# Altium PCB ROS-Robot-Controller.PcbDoc (part 2 of 2)
Units mil, origin at the board's own origin, x right, y up, seen from the top; angles counter-clockwise.
Board outline 1972.2 x 2530.91 mil, 2 copper layers (Top Layer, Bottom Layer); 96 components, 92 nets, 452 pads, 356 vias.
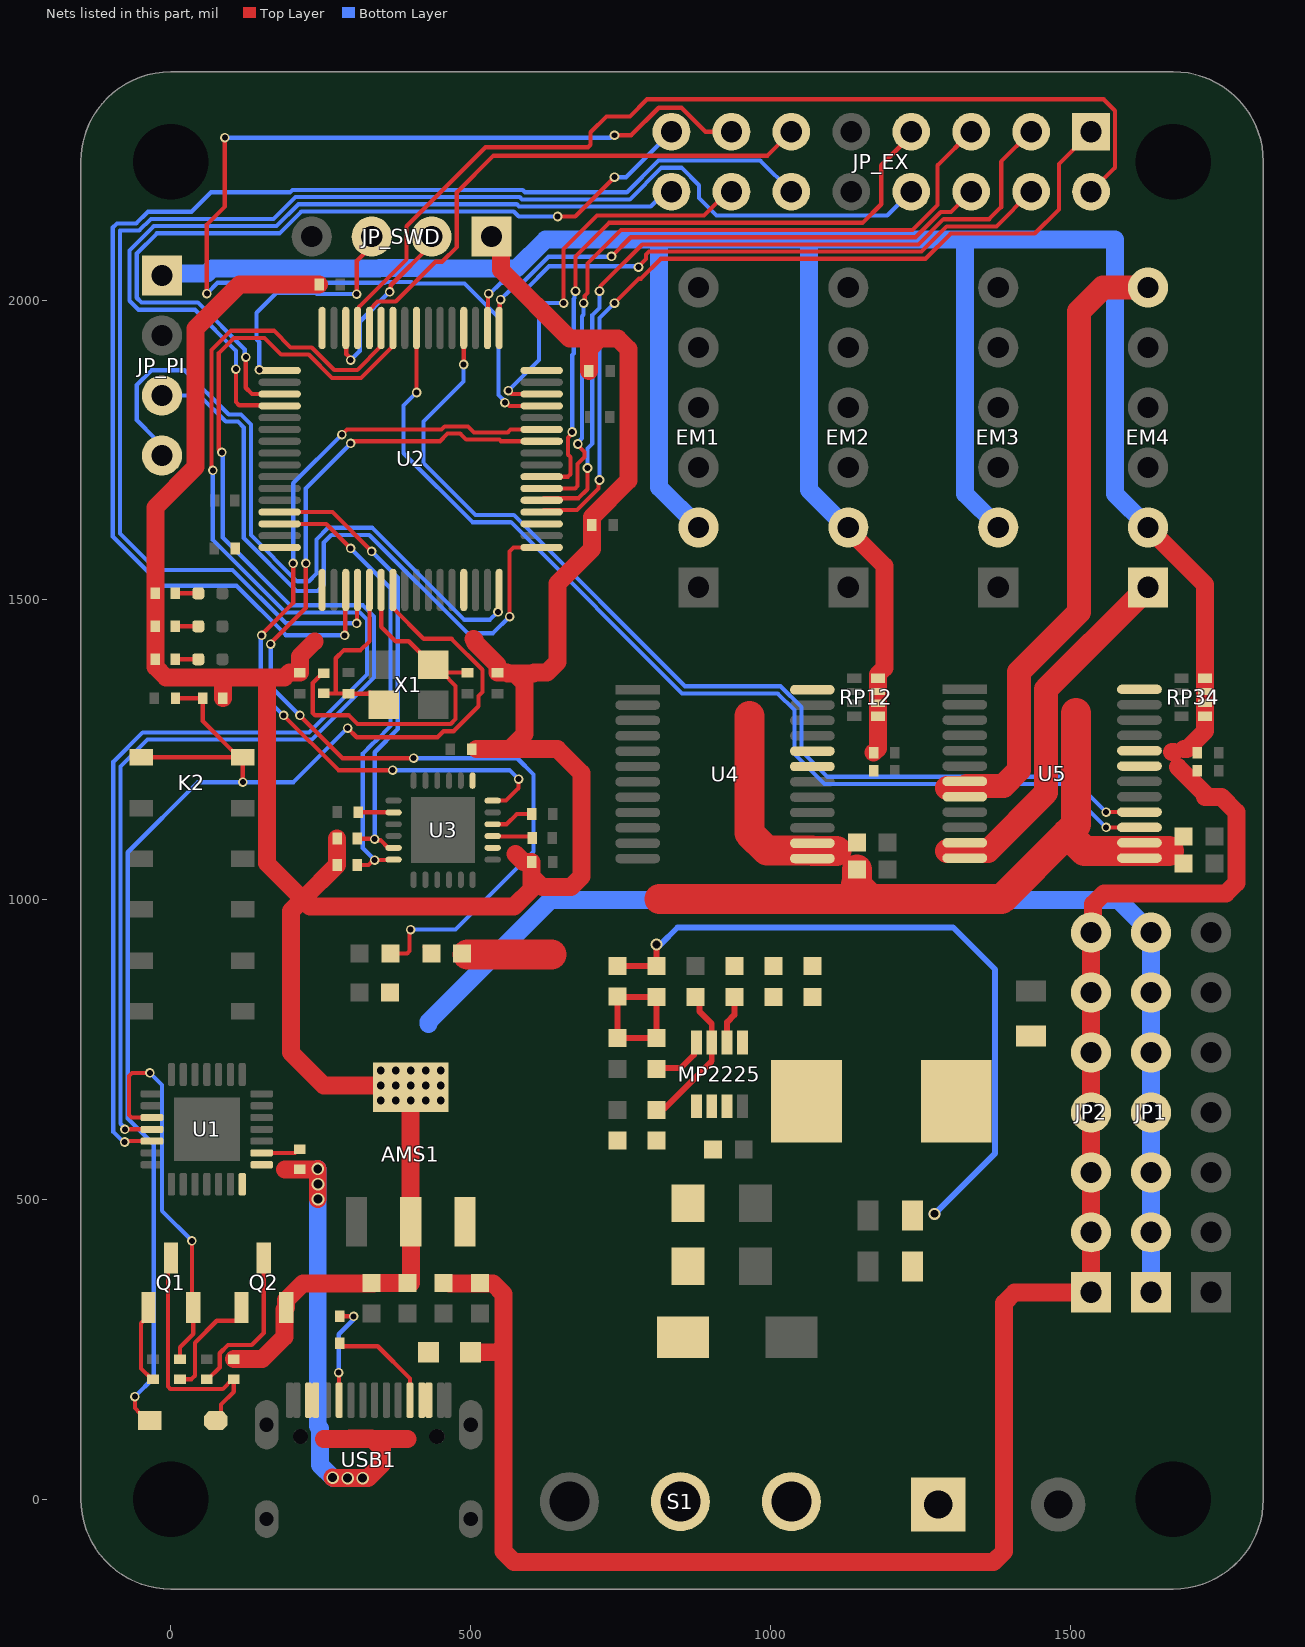
[diagram p2: the nets of this part, all layers, seen from the top]

## Via types
v1: diameter 16, hole 10, Top Layer to Bottom Layer, tented both sides, 333 vias
v2: diameter 20, hole 13, Top Layer to Bottom Layer, tented both sides, 17 vias
v3: diameter 21, hole 15, Top Layer to Bottom Layer, tented both sides, 6 vias

## Nets (pads, with @x,y where several pads share a name; then routed paths per layer and width w, separated by ;. In a path a pad name is that pad's centre, name@x,y a point inside that pad or via, vN(x,y) a via of type N, cw(c..) or ccw(c..) an arc to the next point about the centre after c; other vN are vias at no path point) (continued)
M4IN2: U2.36 U5.16 | length 1731.1
  Top Layer w7: v1(488.33,1892.57) 488.58,1892.82 U2.36@488.58,1953.5 ; v1(1560,1146.02) U5.16@1615.67,1146.02
  Bottom Layer w7: v1(488.33,1892.57) 488.33,1864.24 421.5,1797.41 421.5,1728.41 508.31,1641.6 572.04,1641.6 857.73,1355.91 1017.12,1355.91 1052,1321.02 1052,1247.91 1095.12,1204.8 1501.23,1204.8 v1(1560,1146.02)
M4OUT1: EM4.1 U5.11 U5.12 | length 618.3
  Top Layer w40: 1295,1080.91 1324.33,1080.91 1324.8,1081.38 1363.05,1081.38 1460,1178.33 1460,1350.9 1616.54,1507.44 EM4.1@1630,1520.91
M4OUT2: EM4.6 U5.7 U5.8 | length 1070.3
  Top Layer w40: 1295,1185.91 1324.33,1185.91 1328.35,1189.92 1388.86,1189.92 1415,1216.06 1415,1380 1515,1480 1515,1980.91 1555,2020.91 EM4.6@1630,2020.91
M4PWM: U2.40 U5.15 | length 1746.7
  Top Layer w7: U2.40@409.84,1953.5 409.92,1953.43 409.92,1845.98 v1(410,1845.91) ; v1(1560,1120.43) U5.15@1615.67,1120.43
  Bottom Layer w7: v1(410,1845.91) 388.28,1824.19 388.28,1744.66 503.34,1629.6 567.07,1629.6 852.76,1343.91 1012.15,1343.91 1040,1316.05 1040,1242.94 1090.15,1192.8 1487.64,1192.8 v1(1560,1120.43)
MPU6050_INT: U2.27 U3.12 | length 1388.2
  Top Layer w7: v1(151.5,1440.91) 151.5,1442.41 204,1494.91 v1(204,1560.91) ; v1(188,1307.41) 279.5,1215.91 v1(370,1215.91) ; v1(285.15,1775.75) 293.61,1784.21 451.5,1784.21 456.69,1789.41 495.59,1789.41 505.59,1779.41 561.83,1779.41 566.64,1784.21 U2.27@618.5,1784.21 ; U3.12@536.77,1165.12 559.21,1165.12 580,1185.91 v1(580,1200.91)
  Bottom Layer w7: v1(151.5,1440.91) 150,1439.41 150,1345.41 v1(188,1307.41) ; v1(204,1560.91) 204,1694.6 v1(285.15,1775.75) ; v1(370,1215.91) 565,1215.91 v1(580,1200.91)
MPU6050_SCL: R10.1 U2.61 U3.23 | length 761.7
  Top Layer w7: U2.61@181.5,1646.42 269.49,1646.42 v1(335,1580.91) ; R10.1@310.75,1101.93 311.26,1101.42 339.49,1101.42 341.72,1099.18 349.75,1099.18 362.56,1086.38 U3.23@371.42,1086.38
  Bottom Layer w7: v1(335,1580.91) 378.51,1537.39 378.51,1284.42 340,1245.91 v1(340,1100.91)
MPU6050_SDA: R8.1 U2.62 U3.24 | length 775.2
  Top Layer w7: U2.62@181.5,1626.73 259.17,1626.73 v1(300,1585.91) ; R8.1@310.75,1057.95 329.61,1057.95 337.56,1065.91 v1(340,1065.91) 340.39,1066.3 371.02,1066.3 U3.24@371.42,1066.69
  Bottom Layer w7: v1(300,1585.91) 366.51,1519.39 366.51,1289.39 342.03,1264.91 341.29,1264.91 335,1258.61 320.23,1243.84 320.23,1225.92 320,1225.69 320,1085.91 v1(340,1065.91)
NetC4_1: C4.1 MP2225.7 R7.2 | length 243.8
  Top Layer w10: R7.2@810,649 820,651.24 822.76,651.24 ccw(c816.45,659) 823.5,651.91 902.2,730.61 MP2225.7@902.2,761.66 902.2,792.95 881.48,813.67 881.48,831.34 C4.1@875,837.82
NetC5_1: C5.1 L1.1 MP2225.3
NetC5_2: C5.2 R2.2
NetC9_2: C9.2 R3.2 R4.1 R5.2 | length 268.5
  Top Layer w10: R5.2@745,769 R3.2@810,769 C9.2@810,837.82 745.59,837.82 R4.1@745,838.41 R5.2@745,769
NetC32_2: C32.2 U3.10 | length 72.3
  Top Layer w7: U3.10@536.77,1125.75 559.84,1125.75 577.05,1142.95 C32.2@601.93,1142.95
NetC33_1: C33.1 U3.20 | length 58.9
  Top Layer w7: C33.1@312.72,1145.9 312.95,1145.67 371.18,1145.67 U3.20@371.42,1145.43
NetD2_2: D2.2 Q1.3 R21.2 | length 416.5
  Top Layer w7: Q1.3@0,402.24 -5,397.24 -5,187.8 -0.9,183.7 86.66,183.7 103.03,200.08 R21.2@105,200.08 105,179.19 83.43,157.62 83.43,139.22 D2.2@75.12,130.91
NetLED_BLUE_1: LED_BLUE.1 R16.1 | length 38.3
  Top Layer w7: R16.1@7.56,1400.91 LED_BLUE.1@45.83,1400.91
NetLED_GREEN_1: LED_GREEN.1 R15.1 | length 38.3
  Top Layer w7: R15.1@7.56,1455.91 LED_GREEN.1@45.83,1455.91
NetLED_PW_1: LED_PW.1 R17.1 | length 38.3
  Top Layer w7: R17.1@7.56,1510.91 LED_PW.1@45.83,1510.91
NetMP2225_1: MP2225.1 R6.1 R7.1
NetMP2225_5: MP2225.5 R2.1
NetMP2225_6: MP2225.6 R1.2 | length 81.2
  Top Layer w10: MP2225.6@927.8,761.66 927.8,795.6 940,807.8 R1.2@940,837.82
NetMP2225_8: MP2225.8 R3.1 | length 94.5
  Top Layer w10: R3.1@810,717.82 811.38,719.19 850.78,719.19 872.61,741.02 872.61,757.66 MP2225.8@876.61,761.66
NetQ1_1: Q1.1 R22.2 | length 134.3
  Top Layer w7: Q1.1@-37.4,319.57 -37.4,305.79 -45.71,297.48 -45.9,297.48 -50,293.37 -50,218.11 -31.97,200.08 R22.2@-30,200.08
NetQ2_1: Q2.1 R23.2 | length 192.4
  Top Layer w7: R23.2@15,200.08 34.17,200.08 40,205.91 40,260.91 76.57,297.48 109.29,297.48 117.6,305.79 Q2.1@117.6,319.57
NetQ2_3: Q2.3 R24.1 | length 265.9
  Top Layer w7: R24.1@60,200.08 61.97,200.08 81.5,219.61 81.5,243.28 95.27,257.04 135,257.04 155,277.04 Q2.3@155,402.24
NetR11_2: R11.2 U3.9 | length 67.4
  Top Layer w7: U3.9@536.77,1106.06 537.32,1105.52 600.34,1105.52 R11.2@602.91,1102.95
NetR20_1: R20.1 U1.9 | length 66
  Top Layer w7: U1.9@151.5,577.44 206.93,577.44 213.03,583.54 R20.1@215,583.54
NetR25_2: R25.2 USB1.A5 | length 175
  Top Layer w7: v1(280,210.91) 280.39,210.51 280.39,165.51 USB1.A5@280.79,165.12 ; R25.2@286.11,309.38 R25.2@281.73,305 v1(305,305)
  Bottom Layer w7: v1(280,210.91) 280,275 v1@305,300
NetR26_2: R26.2 USB1.B5 | length 177.9
  Top Layer w7: R26.2@281.73,260 281.73,259.37 286.11,255 345,255 398.9,201.1 USB1.B5@398.9,165.12
NetS1_1: S1.1 VIN1.1
OSCIN: C35.1 R13.2 U2.5 X1.3 | length 348.3
  Top Layer w7: R13.2@260,1344.17 260.36,1343.82 275,1343.82 278.17,1343.82 ; X1.3@330.78,1345.12 332.91,1345.12 333.5,1344.53 X1.3@333.5,1343.46 ; U2.5@331.1,1516.5 331.1,1430.88 316.34,1416.12 288.55,1416.12 275,1402.57 275,1346.99 278.17,1343.82 ; X1.3@355,1325 X1.3@353.03,1325 ; 278.17,1343.82 295.98,1343.82 C35.1@296.34,1343.46 X1.3@333.5,1343.46 ; X1.3@333.5,1343.46 333.5,1342.4 350.91,1325 X1.3@353.03,1325 ; X1.3@333.5,1343.46 334.57,1343.46 X1.3@353.03,1325
OSCOUT: C10.1 R13.1 U2.6 X1.1 | length 648.3
  Top Layer w7: R13.1@255,1377.64 253.03,1377.64 236.66,1361.26 236.66,1311.51 240.76,1307.41 296.83,1307.41 311.36,1292.88 466.79,1292.88 475,1301.09 475,1356.58 X1.1@452.95,1378.62 ; U2.6@350.79,1516.5 350.79,1455.12 375,1430.91 396.73,1430.91 435.71,1391.93 439.65,1391.93 X1.1@452.95,1378.62 ; C10.1@495,1378.62 X1.1@452.95,1378.62
PA4: JP_EX.1 U2.20 | length 1389.2
  Top Layer w7: U2.20@618.5,1646.42 622,1649.92 677.32,1649.92 713.28,1685.88 713.28,1698.28 v1(715,1700) ; v1(740,1995) 780.8,2035.8 784.13,2035.8 817.24,2068.91 1258.91,2068.91 1301,2111 1441,2111 1481.28,2151.28 1481.28,2227.19 1507,2252.91 JP_EX.1@1535,2280.91
  Bottom Layer w7: v1(715,1700) 715,1970 v1(740,1995)
PA5: JP_EX.3 U2.21 | length 1301.4
  Top Layer w7: U2.21@618.5,1666.1 622,1669.6 680.03,1669.6 695,1684.57 v1(695,1720) ; v1(715,2015) 716.72,2016.72 716.72,2023.39 724.31,2030.98 786.24,2092.91 1247,2092.91 1289.09,2135 1364.99,2135 1385,2155.01 1385,2230.91 JP_EX.3@1435,2280.91
  Bottom Layer w7: v1(695,1720) 695,1752.73 703,1760.73 703,1974.97 715,1986.97 v1(715,2015)
PA6: JP_EX.5 U2.22 | length 1218.4
  Top Layer w7: U2.22@618.5,1685.79 674.4,1685.79 678.5,1689.89 678.5,1726.83 690,1738.33 690,1746.5 678.94,1757.56 v1(678.94,1760) ; v1(688.5,1995) 690.22,1996.72 690.22,2006.89 695,2011.67 695,2060.91 751,2116.91 1236.91,2116.91 1278.91,2158.91 1278.91,2224.81 JP_EX.5@1335,2280.91
  Bottom Layer w7: v1(678.94,1760) 678.94,1762.44 686,1769.5 686,1973 688.5,1975.5 v1(688.5,1995)
PA7: JP_EX.7 U2.23 | length 1107.6
  Top Layer w7: U2.23@618.5,1705.47 662.4,1705.47 666.5,1709.57 666.5,1738.01 662.44,1742.07 662.44,1770.5 669.5,1777.56 v1(669.5,1780) ; v1(675,2015) 675,2072.88 731.03,2128.91 1153.91,2128.91 1184.91,2159.91 1184.91,2224.91 1235,2275 JP_EX.7@1235,2280.91
  Bottom Layer w7: v1(669.5,1780) 669.5,1908.38 672,1910.88 672,2001.83 673.28,2003.11 673.28,2013.28 v1(675,2015)
PA11: JP_EX.11 U2.44 | length 910.7
  Top Layer w7: U2.44@331.1,1953.5 331.1,1983.72 344.82,1997.44 375.04,1997.44 441.54,2063.94 452.38,2063.94 476.96,2088.52 476.96,2179.84 538.03,2240.91 995,2240.91 JP_EX.11@1035,2280.91
PA12: JP_EX.2 U2.45 | length 1645
  Top Layer w7: U2.45@311.42,1953.5 311.42,1984.33 313.82,1986.74 313.82,1988.82 393.04,2068.04 393.04,2123.29 417.62,2147.87 524.75,2255 695.9,2255 700,2259.1 700,2280 726.5,2306.5 765.6,2306.5 794.1,2335 1555.92,2335 1575,2315.92 1575,2220.9 JP_EX.2@1535,2180.91
PB10: JP_EX.13 U2.29 | length 1884.1
  Top Layer w7: v1(60,2010.91) 60,2125.91 90,2155.91 v1(90,2270.91) ; v1(557,1828.91) 559.44,1828.91 564.76,1823.58 U2.29@618.5,1823.58 ; v1(740,2275) 767.83,2275 813.73,2320.9 851.57,2320.9 891.56,2280.91 JP_EX.13@935,2280.91
  Bottom Layer w7: v1(60,2010.91) 78.04,2028.94 356.67,2028.94 358.17,2030.44 401.62,2030.44 404.15,2027.92 489.65,2027.92 546.5,1971.07 546.5,1841.84 557,1831.34 v1(557,1828.91) ; v1(90,2270.91) 733.47,2270.91 737.56,2275 v1(740,2275)
PB11: JP_EX.14 U2.30 | length 670.2
  Top Layer w7: v1(563.1,1849) 563.1,1848.07 567.9,1843.27 U2.30@618.5,1843.27 ; v1(655,1995) 655,2085 710.91,2140.91 889.04,2140.91 929.03,2180.91 JP_EX.14@935,2180.91
  Bottom Layer w7: v1(563.1,1849) 614.05,1899.95 614.05,1984.95 624.09,1995 v1(655,1995)
PB12: JP_EX.4 U2.33 | length 1014
  Top Layer w7: U2.33@547.64,1953.5 548.56,1954.42 548.56,1999.46 v1(550,2000.91) ; v1(780,2055) 780,2055.9 792.63,2068.53 792.63,2075.96 797.57,2080.91 1251.97,2080.91 1294.06,2123 1377.09,2123 JP_EX.4@1435,2180.91
  Bottom Layer w7: v1(550,2000.91) 566.04,2016.94 591.45,2016.94 630.92,2056.41 778.59,2056.41 v1(780,2055)
PB13: JP_EX.6 U2.34 | length 948.8
  Top Layer w7: U2.34@527.95,1953.5 528.87,1954.42 528.87,2009.78 v1(530,2010.91) ; v1(735,2072.91) 767,2104.91 1242.03,2104.91 1284.12,2147 1301.09,2147 JP_EX.6@1335,2180.91 JP_EX.6@1319.85,2180.91
  Bottom Layer w7: v1(530,2010.91) 532.44,2010.91 550.47,2028.94 586.48,2028.94 629.95,2072.41 734.5,2072.41 v1(735,2072.91)
PC10: JP_EX.15 U2.51 | length 1398.3
  Top Layer w7: v1(125,1905) 125,1853.83 135.56,1843.27 U2.51@181.5,1843.27 ; v1(645,2139.5) 674.5,2139.5 v1(740,2205)
  Bottom Layer w7: v1(125,1905) 123.28,1906.72 123.28,1917.6 44.97,1995.91 -48.95,1995.91 -56.96,2003.92 -56.96,2077.89 -23.44,2111.41 181.16,2111.41 217.62,2147.87 571.99,2147.87 580.36,2139.5 v1(645,2139.5) ; v1(740,2205) 759.09,2205 JP_EX.15@835,2280.91
PC11: JP_EX.16 U2.52 | length 1404.8
  Top Layer w7: v1(108.5,1885) 108.5,1830.1 114.1,1824.5 180.58,1824.5 U2.52@181.5,1823.58
  Bottom Layer w7: v1(108.5,1885) 108.5,1915.41 40,1983.91 -53.92,1983.91 -68.96,1998.95 -68.96,2082.86 -28.41,2123.41 176.19,2123.41 212.65,2159.87 576.96,2159.87 580.83,2156 800.51,2156 825.42,2180.91 JP_EX.16@835,2180.91
PC14: JP_EX.12 U2.3 | length 2249.8
  Top Layer w7: v1(290,1440.91) 290.87,1441.77 290.87,1515.63 U2.3@291.73,1516.5
  Bottom Layer w7: v1(290,1440.91) 289.78,1441.13 191.73,1441.13 109.33,1523.53 -14.6,1523.53 -97,1605.94 -97,2120.88 -89.97,2127.91 -57.86,2127.91 -38.35,2147.41 34.58,2147.41 67.17,2180 198.84,2180 202.71,2183.87 586.9,2183.87 590.77,2180 760.56,2180 813.46,2232.9 983,2232.9 JP_EX.12@1035,2180.91
PC15: JP_EX.8 U2.4 | length 2447.3
  Top Layer w7: v1(310,1460.91) 310.71,1461.61 310.71,1515.79 U2.4@311.42,1516.5
  Bottom Layer w7: v1(310,1460.91) 192.12,1460.91 103.03,1550 -24.09,1550 -85,1610.91 -85,2115.91 -52.89,2115.91 -33.38,2135.41 171.22,2135.41 207.68,2171.87 581.93,2171.87 585.8,2168 765.53,2168 818.43,2220.9 851.57,2220.9 880.78,2191.69 880.78,2170.13 910,2140.91 1195,2140.91 JP_EX.8@1235,2180.91
RESET: C11.2 D2.1 K2.1 K2.2 R14.1 U2.7 | length 2349.9
  Top Layer w7: v1(-60,170.91) -60,151.85 -51.3,143.15 -39.06,130.91 D2.1@-35.12,130.91 ; K2.1@-49.64,1237.32 K2.2@113.74,1237.32 ; C11.2@7.71,1335.9 R14.1@53.27,1335.91 53.27,1297.8 K2.2@113.74,1237.32 ; K2.2@119.65,1229.74 120.48,1229.74 120,1229.27 v1(120,1195.91) ; K2.2@119.65,1237.32 K2.2@113.74,1237.32 ; v1(294.75,1286.15) 310,1270.91 444.82,1270.91 454.79,1280.88 471.76,1280.88 513.34,1322.46 513.34,1339.43 520,1346.09 520,1383.36 468.36,1435 421.75,1435 370.47,1486.28 U2.7@370.47,1516.5
  Bottom Layer w7: v1(-60,170.91) -28.5,202.41 -28.5,591.62 -71.95,635.07 -71.95,1078.96 45,1195.91 v1(120,1195.91) 204.5,1195.91 v1(294.75,1286.15)
RTS: Q1.2 R23.1 U1.24 | length 659
  Top Layer w7: v1(-35,710.91) -65,710.91 -70,705.91 -70,640.91 -65.59,636.5 U1.24@-31.5,636.5 ; R23.1@15,233.54 15,253.33 37.4,275.73 Q1.2@37.4,319.57 35,321.97 v1(35,430.91)
  Bottom Layer w7: v1(-35,710.91) -15,690.91 -15,480.91 v1(35,430.91)
SWCLK: JP_SWD.3 U2.49 | length 419.8
  Top Layer w7: v1(147.45,1883.56) 148.37,1882.64 U2.49@181.5,1882.64 ; v1(310,2010) 310,2065.29 335,2090.29 JP_SWD.3@335,2105.91
  Bottom Layer w7: v1(147.45,1883.56) 147.45,1930.22 143,1934.67 143,1978.91 176.54,2012.44 240.83,2012.44 243.27,2010 v1(310,2010)
SWDIO: JP_SWD.2 U2.46 | length 318.8
  Top Layer w7: U2.46@291.73,1953.5 292.65,1952.58 292.65,1909.78 300,1902.44 v1(300,1900) ; v1(365,2013.94) 366.72,2015.66 366.72,2024.75 435,2093.03 JP_SWD.2@435,2105.91
  Bottom Layer w7: v1(300,1900) 315,1915 315,1963.94 v1(365,2013.94)
USART1_RX_DEBUG: U1.26 U2.43 | length 2274.1
  Top Layer w7: v1(-77,595.67) -75.55,597.13 U1.26@-31.5,597.13 U1.26@-21.5,597.13 ; v1(70,1715.91) 68,1717.91 68,1905.88 68,1916.94 100.06,1949 111.12,1949 171.91,1949 199.86,1921.04 234.92,1921.04 272.47,1883.5 311,1883.5 350.79,1923.29 U2.43@350.79,1953.5
  Bottom Layer w7: v1(-77,595.67) -79.22,595.67 -95.95,612.4 -95.95,1229.96 -47,1278.91 230.23,1278.91 327,1375.68 327,1467.24 315.33,1478.91 191.09,1478.91 70,1600 v1(70,1715.91)
USART1_TX_DEBUG: U1.25 U2.42 | length 2248.3
  Top Layer w7: v1(-76.88,616.67) -76.75,616.81 U1.25@-31.5,616.81 U1.25@-21.5,616.81 ; v1(85,1745.91) 80,1750.91 80,1900.91 80,1911.97 105.03,1937 116.09,1937 156.07,1937 184.02,1909.04 229.95,1909.04 269,1870 317.18,1870 370.47,1923.29 U2.42@370.47,1953.5
  Bottom Layer w7: v1(-76.88,616.67) -76.88,619.11 -83.95,626.17 -83.95,1221.96 -39,1266.91 235.2,1266.91 339,1370.71 339,1472.21 320.3,1490.91 199.75,1490.91 86.5,1604.16 86.5,1744.41 v1(85,1745.91)
USART2_RX_PI: JP_PI.3 U2.17 | length 1147.8
  Top Layer w7: v1(565,1471.91) 565,1580.91 571.46,1587.36 U2.17@618.5,1587.36
  Bottom Layer w7: JP_PI.3@-15,1840.91 48.03,1840.91 91.53,1797.41 111.83,1797.41 121.5,1787.74 121.5,1603.1 209.69,1514.91 244.76,1514.91 255,1525.14 255,1595.91 267.5,1608.41 330.83,1608.41 494.78,1444.46 537.55,1444.46 v1(565,1471.91)
USART2_TX_PI: JP_PI.4 U2.16 | length 1178.2
  Top Layer w7: v1(545.61,1479.97) 546.72,1481.08 546.72,1515.58 U2.16@547.64,1516.5
  Bottom Layer w7: JP_PI.4@-15,1740.91 -26.47,1752.37 -26.47,1769.37 -56.96,1799.87 -56.96,1858.29 -32.38,1882.87 23.03,1882.87 96.5,1809.41 116.81,1809.41 133.5,1792.71 133.5,1608.07 210.67,1530.91 230,1530.91 243,1543.91 243,1600.88 262.53,1620.41 335.8,1620.41 489.25,1466.96 532.46,1466.96 545.48,1479.97 v1(545.61,1479.97)
USB_5V: F1.1 R20.2 U1.7 U1.8 USB1.A4 USB1.A9 USB1.B4 USB1.B9 | length 999.8
  Top Layer w30: 190,550.08 244.17,550.08 v3(245,550.91) v3@245,500.41 ; 255,100 395,100 ; v3(270,35.91) 270.91,35 v3(320,35) 329.09,35 352.57,58.48 352.57,83.33 335,100.91 299.17,100.91
  Bottom Layer w30: v3(245,550.91) 245,122.09 249.02,118.07 249.02,56.89 270.91,35 v3(320,35)
  other v3: 295,35 245.41,500.41 245.41,525.41
VCC3V3: AMS1.2 AMS1.4 C21.2 C22.2 C23.2 C24.2 C25.2 C26.2 C29.2 C30.2 C31.2 C34.1 JP1.1 JP1.2 JP1.3 JP1.4 JP1.5 JP1.6 JP1.7 JP_SWD.1 Q2.2 R8.2 R10.2 R14.2 R15.2 R16.2 R17.2 R21.1 U2.1 U2.13 U2.19 U2.32 U2.48 U2.64 U3.8 U3.13 | length 7006.3
  Top Layer w30: R14.2@86.73,1335.91 86.73,1367.64 90,1370.91 ; R21.1@105,233.54 152.43,233.54 189.21,270.33 189.21,316.38 Q2.2@192.25,319.42 ; 169.6,1370.91 160,1370.91 ; 170.14,1370.91 189.86,1370.91 197.57,1378.62 C26.2@215,1378.62 215,1405.91 240,1430.91 ; Q2.2@192.4,319.57 192.4,332.15 220.26,360 C29.2@337.73,360 ; C24.2@247.29,2025.91 114.6,2025.91 41.29,1952.59 41.29,1721.58 -25.91,1654.39 R17.2@-25.91,1510.91 R15.2@-25.91,1455.91 R16.2@-25.91,1400.91 -25.91,1388.37 -8.44,1370.91 90,1370.91 ; R10.2@277.29,1101.93 R8.2@277.29,1057.95 220,1000.66 ; C29.2@340.46,360.59 C30.2@395,360.59 400.46,360.59 AMS1.2@400.45,462.79 ; AMS1.4@367.13,675.98 353.11,690 v2(350,690) 255,690 200,745 200,908.53 200.32,908.85 200.32,980.98 220,1000.66 ; AMS1.2@400,462.79 v2(400,665) AMS1.4@400,687.2 AMS1.4@402.2,685 ; 505.19,1434.6 507.5,1432.3 507.5,1429.1 545,1391.59 C25.2@545,1378.62 560.72,1378.62 561.93,1377.41 573.64,1377.41 ; 510,1250.9 565,1250.9 ; JP_SWD.1@535,2105.91 550.28,2090.62 550.28,2050.62 665,1935.91 714.86,1935.91 ; 575,1075.91 587.95,1062.95 C31.2@601.93,1062.95 601.93,1038.48 ; C22.2@697.29,1881.81 697.29,1918.33 714.86,1935.91 ; 90,1370.91 160,1370.91 ; 160,1370.91 160,1060.66 220,1000.66 ; 220,1000.66 232.25,988.41 572.51,988.41 601.93,1017.83 601.93,1038.48 ; 565,1250.9 645,1250.9 685,1210.9 685,1038.48 667.43,1020.91 619.5,1020.91 601.93,1038.48 ; 565,1250.9 590,1275.91 590,1361.04 573.64,1377.41 ; 573.64,1377.41 604.73,1377.41 605.95,1378.62 627.43,1378.62 645,1396.19 645,1527.47 702.29,1584.76 C21.2@702.29,1625 702.29,1638.19 763,1698.91 763,1918.33 745.43,1935.91 714.86,1935.91
  Bottom Layer w30: 430,792.74 430,796.3 633.07,999.37 1580.63,999.37 JP1.7@1635,945 ; JP1.1@1635,345.91 1635,445.91 1635,545.91 1635,645.91 1635,745.91 1635,845.91 JP1.7@1635,945.91
  other v2: 350,665 375,665 425,665 450,665 375,690 400,690 425,690 450,690 350,715 375,715 400,715 425,715 450,715
VCC5V: AMS1.3 C6.2 C7.2 C8.2 C9.1 C17.1 C18.2 C19.1 C20.2 C27.2 C28.2 EM1.2 EM2.2 EM3.2 EM4.2 F1.2 JP2.1 JP2.2 JP2.3 JP2.4 JP2.5 JP2.6 JP2.7 JP_PI.1 L1.2 R4.2 RP12.5 RP12.6 RP12.7 RP12.8 RP34.5 RP34.6 RP34.7 RP34.8 U4.19 U4.20 U5.19 U5.20 | length 8792.7
  Top Layer w10: R4.2@745,889.59 809.41,889.59 C9.1@810,889 ; C9.1@810,884 810,889.59 v2(810,925)
  Top Layer w30: C28.2@464.93,360 C27.2@515.46,360 ; F1.2@500,245 545,245 555,255 ; C27.2@515.46,360.59 516.04,360 537.43,360 555,342.43 555,255 ; EM2.2@1130,1620.91 1130,1616.87 1190,1556.87 1190,1386.47 1179.37,1375.84 RP12.8@1179.37,1368.9 RP12.7@1179.37,1347.24 RP12.6@1179.37,1327.56 RP12.5@1179.37,1305.91 1179.37,1252.09 C18.2@1172.29,1245 ; EM4.2@1630,1620.91 1725,1525.91 RP34.8@1725,1368.9 RP34.7@1725,1347.24 RP34.6@1725,1327.56 RP34.5@1725,1305.91 1725,1280.91 1695,1250.91 1690,1250.91 ; 1670,1245.91 1673.6,1245.91 ; 1680,1220.91 1725,1175.91 1725,1170.91 1752.43,1170.91 1777.2,1146.13 1777.2,1027.57 1759.63,1010 1556.11,1010 1538.54,992.43 1538.54,948.54 JP2.7@1535,945 1535,845.91 1535,745.91 1535,645.91 1535,545.91 1535,445.91 JP2.1@1535,345 1407.57,345 1390,327.43 1390,-87.43 1372.43,-105 572.57,-105 555,-87.43 555,255
  Bottom Layer w10: v2(810,925) 816.59,925 845,953.41 1305,953.41 1375,883.41 1375,576.93 v2(1273.96,475.88)
  Bottom Layer w30: JP_PI.1@-15,2040.91 -11.5,2044.41 60.27,2044.41 68.3,2052.44 346.94,2052.44 348.43,2053.94 411.36,2053.94 412.85,2052.44 576.75,2052.44 625.21,2100.91 814.54,2100.91 ; EM1.2@880,1620.91 880,1622.16 814.54,1687.62 814.54,2100.91 ; EM2.2@1130,1620.91 1126.77,1620.91 1064.54,1683.14 1064.54,2100.91 ; EM3.2@1380,1620.91 1380,1621.87 1325,1676.87 1325,2100.91 ; EM4.2@1630,1620.91 1630,1621.87 1575,1676.87 1575,2100.91 1325,2100.91 ; 814.54,2100.91 1064.54,2100.91 ; 1064.54,2100.91 1325,2100.91
VCC12V: C1.2 C2.2 C3.2 C13.2 C14.2 C15.2 C16.2 D1.2 MP2225.2 R1.1 R18.2 S1.2 U4.13 U4.14 U4.24 U5.13 U5.14 U5.24 | length 1662.2
  Top Layer w50: R18.2@495,908.77 635,908.77 ; 815,1000.91 1167.5,1000.91 ; 965,1306.21 965,1110.98 994.26,1081.72 1069.18,1081.72 1070,1080.91 1110,1080.91 ; 1142.5,1025.91 1167.5,1000.91 ; 1144.41,1030.19 C13.2@1144.41,1050 ; 1510,1310.91 1510,1125.2 1495,1110.2 ; 1665,1080.91 1524.29,1080.91 1495,1110.2 ; 1167.5,1000.91 1385.71,1000.91 1495,1110.2
VIN_ADC: C12.2 R18.1 R19.2 U2.26 | length 1764.6
  Top Layer w7: v1(166.5,1426.06) 166.5,1427.71 225,1486.21 v1(225,1560.91) ; v1(215,1307.41) 286.5,1235.91 v1(405,1235.91) ; v1(300,1760.91) 303.62,1764.53 448.79,1764.53 461.67,1777.41 482.59,1777.41 492.59,1767.41 547.97,1767.41 550.84,1764.53 U2.26@618.5,1764.53 ; R19.2@366.18,910 394.18,910 398.28,914.1 398.28,948.28 v1(400,950) ; R18.1@423.27,921.22 R18.1@434.77,909.72
  Bottom Layer w7: v1(166.5,1426.06) 166.5,1355.91 v1(215,1307.41) ; v1(225,1560.91) 225,1685.91 v1(300,1760.91) ; v1(400,950) 475,950 605,1080 605,1208.64 577.73,1235.91 v1(405,1235.91)
pads on no net: S1.3 U1.1 U1.2 U1.6 U1.10 U1.11 U1.12 U1.13 U1.14 U1.15 U1.16 U1.17 U1.18 U1.19 U1.20 U1.21 U1.22 U1.23 U1.27 U3. U3.2 U3.3 U3.4 U3.5 U3.6 U3.7 U3.14 U3.15 U3.16 U3.17 U3.19 U3.21 U3.22 USB1.0 USB1.A8 USB1.B8

## Polygon pours and split planes (outlines as drawn)
NetC5_1 on Top Layer "NETC5_1_L01_P040" (solid, remove dead copper, pour order 40): 920,633.41 920,703.41 935,718.41 975.33,718.41 1045,799.21 1045,858.41 1095,858.41 1095,793.41 1130,768.41 1130,588.41 995,588.41 995,658.41 970,683.41 940.33,683.41 935,678.08 935,633.41
NetMP2225_5 on Top Layer "NETMP2225_5_L01_P044" (solid, remove dead copper, pour order 44): 945,738.41 945,788.41 985,828.41 985,858.41 1025,858.41 1025,813.41 1000,788.41 980,788.41 965,773.41 965,738.41
NetMP2225_1 on Top Layer "NETMP2225_1_L01_P045" (solid, remove dead copper, pour order 45): 865,678.41 885,678.41 885,638.41 825,578.41 720,578.41 720,613.41 835,613.41 865,643.41
NetC5_2 on Top Layer "NETC5_2_L01_P047" (solid, remove dead copper, pour order 47): 1090,908.41 1090,868.41 985,868.41 985,908.41
no net on Top Layer "NONET_L01_P058" (solid, pour order 58): 495,1350 495,1343.19
VCC12V on Top Layer "VCC12V_L01_P037" (solid, remove dead copper, pour order 37): 555,905.16 790,1025 790,935 696.01,891.12 700,573.41 715,558.41 835,558.41 890,613.41 890,678.41 912.34,678.41 912.45,651.82 912.34,608.41 921.08,603.41 921.08,550.63 905,540.21 905,313.41 615,341.15 615,480.21 555,540.21
GND on Top Layer "GND_L01_P055" (solid, remove dead copper, pour order 55): -175,2425 1860,2425 1860,-190 -175,-190
VIN_ADC on Top Layer "VIN_ADC_L01_P013" (solid, remove dead copper, pour order 13): 450,889.17 386.54,888.15 386.23,825.07 345.59,824.93 345.59,929.1 450,929.1
VCC5V on Top Layer "VCC5V_L01_P039" (solid, remove dead copper, pour order 39): 1215,800 1215,300 1585,300 1585,800
NetS1_1 on Top Layer "NETS1_1_L01_P053" (solid, pour order 53): 970,65 970,-70 1340,-70 1340,65
VCC12V on Top Layer "VCC12V_L01_P048" (solid, pour order 48): 905,-65 905,208.41 905,358.41 615,341.15 615,180 731.2,180 731.2,-65
VCC12V on Top Layer "VCC12V_L01_P001" (solid, remove dead copper, pour order 1): 940,1135 960,1105.91 1115,1105.91 1125,1125.91 1165,1125.91 1165,1005 828.91,1018.91
VCC12V on Top Layer "VCC12V_L01_P052" (solid, remove dead copper, pour order 52): 1455.91,1105.91 1665.67,1105.91 1665.67,1026.61 1664.06,1025 1515,1025 1425,935 1360,935 1360,1025 1380,1025 1380,1030
VCC12V on Top Layer "VCC12V_L01_P051" (solid, remove dead copper, pour order 51): 790,1025 1380,1025 1380,935 959.86,935 959.69,869.04 920.35,868.87 920.01,935 790,935
VCC5V on Top Layer "VCC5V_L01_P010" (solid, remove dead copper, pour order 10): 515.45,530 515.45,395 540.45,370 540.45,340 445,340 445,374.55 470.45,400 470.45,530
VCC12V on Top Layer "VCC12V_L01_P003" (solid, remove dead copper, pour order 3): 1110,1340.91 995,1340.91 990,1335.91 990,1285.91 940,1285.91 945,1350 962.2,1370.91 1110,1370.91
M3OUT2 on Top Layer "M3OUT2_L01_P025" (solid, remove dead copper, pour order 25): 1291.4,1260.84 1369.5,1260.46 1370.61,1215.07 1284.88,1214.48 1245,1250 1270,1280
M3OUT1 on Top Layer "M3OUT1_L01_P024" (solid, remove dead copper, pour order 24): 1360,1360 1360,1315 1281.68,1315 1281.68,1360.41 1281.93,1360.41 1285,1405 1325,1405 1335,1365
VCC3V3 on Top Layer "VCC3V3_L01_P021" (solid, remove dead copper, pour order 21): 498.78,1186.81 495,1240.91 495,1260.91 508.78,1260.91 508.78,1211.81 508.78,1186.81
VCC3V3 on Top Layer "VCC3V3_L01_P020" (solid, remove dead copper, pour order 20): 525,1090.91 580,1090.91 590,1080.91 570,1060.91 550,1080.91 525,1080.91
VCC3V3 on Top Layer "VCC3V3_L01_P019" (solid, remove dead copper, pour order 19): 261.58,1595.91 261.44,1482.28 255,1430.91 215,1425.91 230,1450.84 243.78,1480.91 243.78,1595.91
VCC3V3 on Top Layer "VCC3V3_L01_P014" (solid, remove dead copper, pour order 14): 585,1635.91 715,1635.91 715,1615.91 665,1615.91 585,1615.91
VCC3V3 on Top Layer "VCC3V3_L01_P018" (solid, remove dead copper, pour order 18): 497.75,1555.91 497.66,1482.28 520,1440.91 495,1430.91 480,1449.24 480,1555.91
VCC3V3 on Top Layer "VCC3V3_L01_P017" (solid, remove dead copper, pour order 17): 260,1575.91 95,1575.91 95,1595.91 135,1595.91 260,1595.91
VCC3V3 on Top Layer "VCC3V3_L01_P016" (solid, remove dead copper, pour order 16): 240,1915.91 240,2040.91 260,2040.91 260,1915.91
VCC3V3 on Top Layer "VCC3V3_L01_P015" (solid, remove dead copper, pour order 15): 585,1891.81 715,1891.81 715,1871.81 665,1871.81 585,1871.81
USB_5V on Top Layer "USB_5V_L01_P012" (solid, remove dead copper, pour order 12): 415,195.91 435,195.91 435,135.91 425,115.91 410,85.91 370,85.91 370,115.91 399.55,121.81 415,133.41
USB_5V on Top Layer "USB_5V_L01_P011" (solid, remove dead copper, pour order 11): 225,195.91 225,135.91 235,115.91 245,85.91 305,85.91 305,115.91 265,115.91 250,125.91 245,135.91 245,195.91
USB_5V on Top Layer "USB_5V_L01_P009" (solid, remove dead copper, pour order 9): 435,155.91 415,155.91 415,270 450,270 450,225 435,225
USB_5V on Top Layer "USB_5V_L01_P008" (solid, remove dead copper, pour order 8): 130,565.91 220,565.91 220,540.91 150,540.91 134.81,531.1 130.69,505.93 110,506.29 110,550.91
VCC5V on Top Layer "VCC5V_L01_P007" (solid, remove dead copper, pour order 7): 1575.67,1256.61 1660.67,1256.61 1670.67,1266.61 1725,1266.61 1725,1196.61 1685,1196.61 1665.67,1211.61 1575.67,1211.61
VCC5V on Top Layer "VCC5V_L01_P006" (solid, remove dead copper, pour order 6): 1030,1255.91 1115,1255.91 1125,1265.91 1185,1265.91 1185,1195.91 1159.13,1195.91 1120,1210.91 1030,1210.91
VCC12V on Top Layer "VCC12V_L01_P005" (solid, remove dead copper, pour order 5): 1575.67,1101.61 1660,1105.91 1670.67,1126.61 1710.67,1126.61 1710.67,1026.61 1665.67,1026.61 1655,1050.91 1575.67,1056.61
VCC12V on Top Layer "VCC12V_L01_P004" (solid, remove dead copper, pour order 4): 1655.67,1341.61 1540.71,1341.61 1520,1320.91 1520,1286.61 1470,1286.61 1470,1350.91 1490.71,1371.61 1655.67,1371.61
GND on Bottom Layer "GND_L02_P054" (solid, remove dead copper, pour order 54): -175,2465 -175,-190 1855,-190 1855,2465
VCC3V3 on Bottom Layer "VCC3V3_L02_P050" (solid, remove dead copper, pour order 50): 415,865 333.75,730.54 335,645 465,645 465.46,730.54 630,1015

## Keep-outs
Keep-Out Layer:
  the board outline again, w50

## Other copper
Bottom Layer:
  pour cut-out: 595,65 1355,65 1355,-75 595,-75

## Silkscreen, mask and mechanical layers (free items; w line width, h text height)
Top Overlay:
  drawing of 360 lines, arcs and shapes, not listed
  text "EXIO" at 705,2328.01 h90 r270
  text "5V" at -135,2092.56 h65 r270
  text "GND" at 128.68,2030 h25
  text "CLK" at 303.68,2030 h25
  text "DIO" at 398.68,2030 h25
  text "3V3" at 498.68,2030 h25
  text "树莓派" at 35,2014.12 h80 r270
  text "GND" at -135,2004.24 h65 r270
  text "RX" at -135,1874.14 h65 r270
  text "TX" at -135,1784.06 h65 r270
  text "POWER" at 99.46,1490 h50
  text "GREEN" at 98.31,1435 h50
  text "STM32 / F103 / RCT6" at 569.67,1410 h70
  text "BLUE" at 99,1380 h50
  text "RESET" at -135,1303.34 h70 r270
  text "MPU6050" at 207.45,1225 h60
  text "KEY1" at -135,1103.19 h70 r270
  text "TB6612FNG" at 955,1042.95 h70 r90
  text "TB6612FNG" at 1500,1042.95 h70 r90
  text "KEY2" at -135,941.47 h70 r270
  text "X" at 532,805 h30
  text "Y" at 497,770 h30
  text "CP2102" at -135,731.1 h70 r270
  text "AMS1117" at 545,692.85 h60 r270
  text "MP2236 / MP2225" at 650,484.96 h60 r270
  text "5V" at 1482.6,235 h70
  text "3V3" at 1566.41,235 h70
  text "GND" at 1666.86,235 h70
  text "12V+" at 1170,185 h120
  text "关<------->开" at 594.56,135 h90
  text "TYPE-C" at 229.95,-60 h60
Bottom Overlay:
  drawing of 1767 lines, arcs and shapes, not listed
  text "DEBUG" at 154.38,2380 h200 r180
  text "C10" at 796.14,2355 h50 r180
  text "B10" at 896.14,2355 h50 r180
  text "A11" at 996.14,2355 h50 r180
  text "A8" at 1096.14,2355 h50 r180
  text "A7" at 1196.14,2355 h50 r180
  text "A6" at 1296.14,2355 h50 r180
  text "A5" at 1396.14,2355 h50 r180
  text "A4" at 1496.14,2355 h50 r180
  text "CLK" at 237.88,2225 h100 r180
  text "DIO" at 406.97,2225 h100 r180
  text "GND" at 26.06,2140 h100 r180
  text "3V3" at 594.72,2140 h100 r180
  text "C11" at 791.14,2135 h50 r180
  text "B11" at 891.14,2135 h50 r180
  text "C14" at 990.55,2135 h50 r180
  text "C13" at 1090.98,2135 h50 r180
  text "C12" at 1191.14,2135 h50 r180
  text "B13" at 1296.14,2135 h50 r180
  text "B12" at 1396.14,2135 h50 r180
  text "A12" at 1490.1,2135 h50 r180
  text "OUT2" at 1168.05,2045 h80 r180
  text "GND" at 1163.05,1945 h80 r180
  text "EB" at 1158.05,1845 h80 r180
  text "EA" at 1158.05,1745 h80 r180
  text "5V" at 1158.05,1645 h80 r180
  text "OUT1" at 1163.05,1550 h80 r180
  text "M1" at 797.33,1465 h140 r180
  text "M2" at 1047.03,1465 h140 r180
  text "M3" at 1297.2,1465 h140 r180
  text "M4" at 1545.89,1460 h140 r180
  text "FanZiqi" at 318.74,1266.1 h220 r180
  text "ROS" at 1204.39,1262.53 h370 r180
  text "Designed by" at 317.6,1114 h130 r180
  text "@Github fan-ziqi" at -12,925 h140 r180
  text "Ver 5.0" at 1068.8,903.5 h160 r180
  text "ROS机器人四电机驱动控制板" at 6.25,712.68 h120 r180
  text "ROS-Controller" at 11.99,555 h260 r180

## Text inside footprints (layer, text, board x,y; h text height)
MP2225: Top Overlay "*" at 863.61,632.66 h50 r90; Mechanical 13 "*" at 909,677.41 h50 r90